# Altium PCB Infinit8I.PcbDoc (continued)
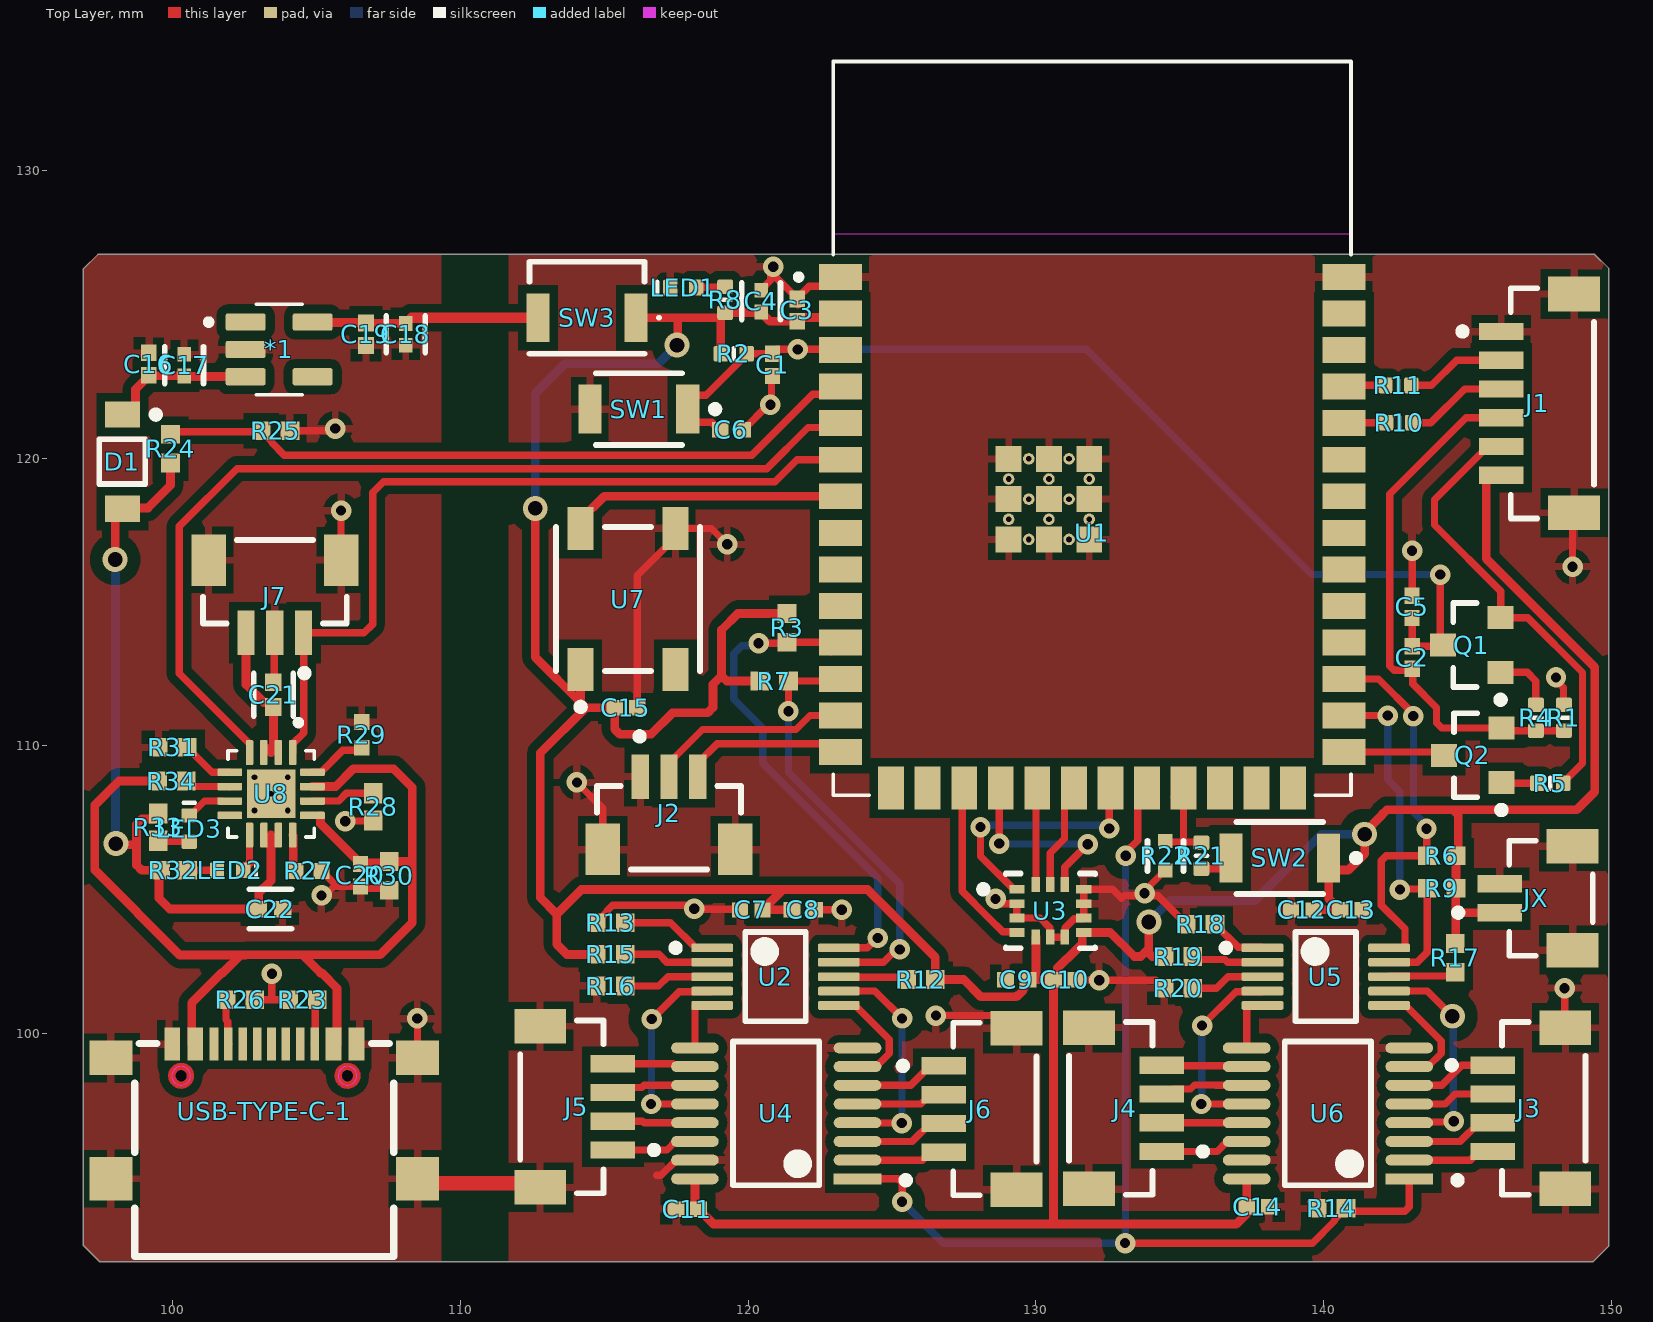
[diagram p0: Top Layer view]
## Footprints (in the part's own frame and the unit in brackets; to place one, negate y for a bottom-side part, rotate by r counter-clockwise, add the part's x,y. Pads: shape width x height; smd on the part's side, far side on the other; paste and mask are expansions set on the pad) (continued)
  rect 0.65x0.65 smd: 1(-0.5,0) 2(0.5,0)
  body extent -0.53,-0.28 0.53,0.28, height 0.4
RESC1005X40X25ML05T10 [mm] "Chip Resistor, 2-Leads, Body 1.00x0.50mm, IPC Low Density"
  rect 0.7x0.65 smd: 1(-0.475,0) 2(0.475,0)
  body extent -0.53,-0.27 0.53,0.28, height 0.4
RESC1005X40X25NL05T05 [mm] "Chip Resistor, 2-Leads, Body 1.00x0.50mm, IPC Medium Density"
  rect 0.55x0.55 smd: 1(-0.45,0) 2(0.45,0)
  body extent -0.53,-0.27 0.53,0.28, height 0.4
SOT95P280X145-5N [mm]
  rrect25% 1.39x0.6 smd: 1(-1.165,0.95) 2(-1.165,0) 3(-1.165,-0.95) 4(1.165,-0.95) 5(1.165,0.95)
  silkscreen extent -2.55,-1.57 0.8,1.57, body extent -1.35,-1.45 1.35,1.45, height 1.45
XCVR_ESP32-S3-WROOM-1-N8R2 [mm]
  rect 1.5x0.9 smd: 1(-8.75,5.26) 2(-8.75,3.99) 3(-8.75,2.72) 4(-8.75,1.45) 5(-8.75,0.18) 6(-8.75,-1.09) 7(-8.75,-2.36) 8(-8.75,-3.63) 9(-8.75,-4.9) 10(-8.75,-6.17) 11(-8.75,-7.44) 12(-8.75,-8.71) 13(-8.75,-9.98) 14(-8.75,-11.25) 27(8.75,-11.25) 28(8.75,-9.98) 29(8.75,-8.71) 30(8.75,-7.44) 31(8.75,-6.17) 32(8.75,-4.9) 33(8.75,-3.63) 34(8.75,-2.36) 35(8.75,-1.09) 36(8.75,0.18) 37(8.75,1.45) 38(8.75,2.72) 39(8.75,3.99) 40(8.75,5.26)
  rect 0.9x1.5 smd: 15(-6.985,-12.5) 16(-5.715,-12.5) 17(-4.445,-12.5) 18(-3.175,-12.5) 19(-1.905,-12.5) 20(-0.635,-12.5) 21(0.635,-12.5) 22(1.905,-12.5) 23(3.175,-12.5) 24(4.445,-12.5) 25(5.715,-12.5) 26(6.985,-12.5)
  rect 0.9x0.9 smd: 41_1(-1.5,-2.46) 41_2(-2.9,-2.46) 41_3(-0.1,-2.46) 41_4(-2.9,-3.86) 41_5(-1.5,-3.86) 41_6(-0.1,-3.86) 41_7(-2.9,-1.06) 41_8(-1.5,-1.06) 41_9(-0.1,-1.06)
  round 0.4 hole 0.2 mask+0: 41_10(-1.5,-1.76) 41_11(-2.9,-1.76) 41_12(-0.1,-1.76) 41_13(-2.9,-3.16) 41_14(-1.5,-3.16) 41_15(-0.1,-3.16) 41_16(-2.2,-1.06) 41_17(-0.8,-1.06) 41_18(-2.2,-2.46) 41_19(-0.8,-2.46) 41_20(-2.2,-3.86) 41_21(-0.8,-3.86)
  Keep-Out Layer region: 9,6.75 -9,6.75 -9,12.75 9,12.75
  Keep-Out Layer region: 9,6.75 -9,6.75 -9,12.75 9,12.75
  silkscreen extent -10.3,-12.75 9,12.75, body extent -9,-12.75 9,12.75, height 3.25

## Part data
*1: library part CMP-018-000000-2, "Fixed Positive LDO Regulator, 3.3V, 0.6V Dropout, BIPolar, PDSO5", Case/Package=LSSOP, Dropout Voltage1-Max=600mV, Input Voltage Absolute-Max=20V, Max Supply Voltage=12V, Min Input Voltage=2.5V, Operating Temperature, TJ-Max=125°C, Operating Temperature, TJ-Min=-40°C, Output Current1-Max=500mA, Output Voltage1-Max=3.366V, Output Voltage1-Min=3.234V, Output Voltage1-Nom=3.3V, Package Body Material=Plastic, Package Equivalence Code=TSOP5/6,.11,37, Package Shape=Rectangular, Package Style="SMALL OUTLINE, LOW PROFILE, SHRINK PITCHMeter", Peak Reflow Temperature (Cel)=240°C, Time @ Peak Reflow Temperature-Max (s)=30s, Voltage Tolerance-Max=2%, Adjustability=FIXED, Channels=1, Component Type=Standard, Design Item ID=Component_1, Height - Seated (Max)=1.45mm, JESD-30 Code=R-PDSO-G5, JESD-609 Code=e0, Length=2.9mm, Line Regulation-Max=0.02541%, Load Regulation-Max=0.0231%, Moisture Sensitivity Level=1, Number of Outputs=1, Pin Count=4, Pins=5, Qualification Status="Not Qualified", Reach SVHC Compliant=No, Regulator Type="FIXED POSITIVE SINGLE OUTPUT LDO REGULATOR", RoHS Compliant=No, Source=MIC5219-3.3YM5.SchLib, Surface Mount=Yes, Technology=BIPOLAR, Terminal Finish=Tin, Terminal Form="Gull Wing", Terminal Pitch=0.95mm, Terminal Position=DUAL, Width=1.6mm
C1 C5 C7 C12 C20: library part CMP-001-00008-6, "Chip Capacitor, 1 uF, +/- 10%, 6.3 V, 0402 (1005 Metric)", Capacitor Type=Ceramic, Case/Package=0402, Max Operating Temperature=85°C, Min Operating Temperature=-55°C, Tolerance=10%, Voltage Rating=6.3V, Mounting Technology=SM, Pins=2, RoHS Compliant=True
C2 C3 C6 C8 C9 C10 C11 C13 C14 C15 C16 C19: library part CMP-001-00001-6, "Chip Capacitor, 0.1 uF, +/- 5%, 16 V, 0402 (1005 Metric)", Capacitor Type=Ceramic, Case/Package=0402, Max Operating Temperature=125°C, Min Operating Temperature=-55°C, Tolerance=5%, Voltage Rating=16V, Mounting Technology=SM, Pins=2, RoHS Compliant=True
C4 C17 C18: library part CMP-13271-000286-1, "Cap Ceramic 22uF 6.3V X5R ±20% SMD 0402 +85°C Paper T/R", Capacitance=22uF, Case Code (Imperial)=0402, Case Code (Metric)=1005, Max Operating Temperature=85°C, Min Operating Temperature=-55°C, Tolerance=20%, Voltage Rating=6.3V, Case/Package=0402, Length=0.039inch, Mount="Surface Mount", Packaging="Tape and Reel", Thickness=0.022inch, Width=0.02inch
C21 C22: library part CMP-2008-04549-2, "Chip Multilayer Ceramic Capacitors for General Purpose, 0402, 4.7uF, X5R, 15%, 20%, 6.3V", Capacitance=4.7uF, Case Code (Imperial)=0402, Case Code (Metric)=1005, Dielectric=X5R, Max Operating Temperature=85°C, Min Operating Temperature=-55°C, Package Quantity=10000, Tolerance=20%, Voltage=6.3V, Case/Package=0402, Contact Plating=Tin, Depth=0.5mm, Height=0.5mm, Lead Free="Lead Free", Length=1mm, Mount="Surface Mount", Packaging="Tape and Reel", REACH SVHC="No SVHC", Termination=SMD/SMT, Thickness=0.022inch, Voltage Rating=6.3V, Voltage Rating (DC)=6.3V, Weight=0.000212oz, Width=0.02inch
D1: library part CMP-1055-00419-1, "Schottky Power Rectifier, 2-Pin SOD-123, Pb-Free, Tape and Reel", Manufacturer="On Semiconductor", ComponentLink1Description="Manufacturer URL", ComponentLink1URL=http://www.onsemi.com/, ComponentLink2Description=Datasheet, ComponentLink2URL=http://www.onsemi.cn/pub_link/Collateral/MBR130T1-D.PDF, ComponentLink3Description="Package Specification", ComponentLink3URL=http://www.onsemi.com/pub_link/Collateral/425-04.PDF, Configuration=Single, DatasheetVersion="Rev. 4", IFSM Max (A)=5.5, Mounting Technology="Surface Mount", PackageDescription="2-Pin SOD, Body 1.6 x 2.69 mm", PackageReference=SOD-123-2-425-04, PackageVersion="Rev. G, 10/2009", Packing="Tape and Reel", PartNumber=NRVB130T1G, RoHS=TRUE
J1: library part CMP-00030-00001-2, "Conn Shrouded Header HDR 6 POS 1mm Solder ST SMD Embossed T/R"
J2 J7: library part CMP-00030-00002-2, "Conn Shrouded Header (4 Sides) HDR 3 POS 1mm Solder ST Top Entry SMD T/R"
J3 J4 J5 J6: library part CMP-00030-00003-2, "1.0mm Pitch, Ultra-Compact, Low Profile Design, Interchangeable Shrouded Header"
JX: library part CMP-17439-000179-1, "CONN WIRE HDR 2POS 1MM STSMD", Color=Natural, Contact Resistance=20mR, Flammability Rating="UL94 V-0", Max Current Rating=1A, Max Operating Temperature=85°C, Max Voltage Rating (AC)=50V, Min Operating Temperature=-25°C, Package Quantity=1500, Connector Type=Header, Contact Finish - Mating=TIN, Contact Material="Copper Alloy", Contact Plating=Tin, Contact Shape=Square, Contact Type="Male Pin", Depth=3.6mm, Fastening Type=Pull, Housing Color=Natural, Housing Material=Polyamide, Insulation Color=Natural, Insulation Material=Nylon, Lead Free="Lead Free", Length=4mm, Mated Stacking Heights=4.9mm, Max Voltage Rating (DC)=50V, Mount="Surface Mount", Number of Positions=2, Number of Rows=1, Orientation=Straight, Packaging="Tape and Reel", Pitch=0.039inch, Series=SR, Termination=Solder, Voltage Rating=50V
LED1: library part CMP-007-00041-3, "Chip LED 0402, Green, 0.02 A, 3.1 to 3.7 V, -40 to 80 degC, 2-Pin SMD, RoHS, Tape and Reel", Case/Package=0402, Colour=Green, Mounting Technology=SMT, Pins=2, RoHS Compliant=Yes
LED2 LED3: library part CMP-007-00043-3, "Chip LED 0402, Yellow, 0.02 A, 3.1 to 3.7 V, -40 to 80 degC, 2-Pin SMD, RoHS, Tape and Reel", Case/Package=0402, Colour=Yellow, Mounting Technology=SMT, Pins=2, RoHS Compliant=Yes
Q1 Q2: library part CMP-1048-00545-1, "Switching Transistor, NPN Silicon, 3-Pin SOT-23, Pb-Free, Tape and Reel", Manufacturer="On Semiconductor", ComponentLink1Description="Manufacturer URL", ComponentLink1URL=http://www.onsemi.com/, ComponentLink2Description=Datasheet, ComponentLink2URL=http://www.onsemi.cn/pub_link/Collateral/MMBT4401LT1-D.PDF, ComponentLink3Description="Package Specification", ComponentLink3URL=http://www.onsemi.cn/pub_link/Collateral/318-08.PDF, DatasheetVersion="Rev. 10", fT Min (MHz)=250, IC Continuous (A)=0.6, Mounting Technology="Surface Mount", PackageDescription="3-Pin Small Outline Transistor, Body 2.92 x 1.3 mm, Pitch 0.95 mm", PackageReference=SOT-23-3-318-08, PackageVersion="Rev. AP, 11/2009", Packing="Tape and Reel", PartNumber=MMBT4401LT1G, Polarity=NPN, RoHS=TRUE
R1 R4 R5 R8 R21: library part CMP-009-00157-3, "Chip Resistor, 1 kOhms, +/-5 %, 63 mW, -55 to 155 degC, 0402", Case/Package=0402, Max Operating Temperature=155°C, Min Operating Temperature=-55°C, Power=63mW, Tolerance=5%, Pins=2
R2 R10 R11: library part CMP-009-00149-3, "Chip Resistor, 10 kOhms, +/-1 %, 63 mW, -55 to 125 degC, 0402", Case/Package=0402, Max Operating Temperature=155°C, Min Operating Temperature=-55°C, Power=63mW, Tolerance=1%, Pins=2
R3 R6 R7 R9 R13 R14 R15 R18 R19 R23 R26 R30 R31 R34: library part CMP-009-00030-5, "Chip Resistor, 4.7 KOhm, +/- 1%, 0.1 W, -55 to 155 degC, 0402 (1005 Metric)", Case/Package=0402, Max Operating Temperature=155°C, Min Operating Temperature=-55°C, Power=100mW, Tolerance=1%, Voltage Rating=50V, Mounting Technology=SM, Pins=2, RoHS Compliant=True
R12 R16 R17 R20: library part CMP-2002-08342-1, Manufacturer="Vishay Dale", Part Number=CRCW04021R00FKED
R22: library part CMP-2002-01165-2, Case Code (Imperial)=0402, Case Code (Metric)=1005, Max Operating Temperature=155°C, Max Power Dissipation=100mW, Min Operating Temperature=-55°C, Resistance=62kΩ, Temperature Coefficient=100ppm/°C, Tolerance=1%, Voltage Rating=50V, Case/Package=0402, Composition="Thick Film", Contact Plating=Tin, Depth=500µm, Features="Automotive AEC-Q200", Height=350µm, Lead Free="Lead Free", Length=1mm, Lifecycle Status=Production, Military Standard=Not, Mount="Surface Mount", NexarPartId=55404988, Number of Terminations=2, Packaging="Cut Tape", Power Rating=100mW, REACH SVHC="No SVHC", RoHS=Compliant, Schedule B="8533210045, 8533210045", Termination=SMD/SMT, Voltage Rating (DC)=50V, Width=508µm
R24 R25: library part CMP-009-00012-5, "Chip Resistor, 1 KOhm, +/- 1%, 63 mW, -55 to 155 degC, 0402 (1005 Metric)", Case/Package=0402, Max Operating Temperature=155°C, Min Operating Temperature=-55°C, Power=63mW, Tolerance=1%, Mounting Technology=SM, Pins=2, RoHS Compliant=True
R27 R29: library part CMP-2002-08284-1, Manufacturer="Vishay Dale", Part Number=CRCW04021K20FKED
R28: library part CMP-2002-07701-1, Manufacturer="Yageo / Phycomp", Part Number=RC0402FR-0747KL
R32 R33: library part CMP-2002-07464-1, Manufacturer="Yageo / Phycomp", Part Number=RC0402FR-071K5L
SW1 SW2: library part CMP-011-00000-2, "Tactile Switch, SPST-NO, 0.05 A, 12 V, -25 to 70 degC, 2-Pin SMD, RoHS, Tape and Reel", Case/Package=B3U-1000, Contact Current Rating=50mA, IP Rating=IP40, Manufacturer="Omron Electronic Components", Max Contact Resistance=100mohm, Max Operating Temperature=70°C, Max Voltage Rating (DC)=12V, Min Operating Temperature=-25°C, Operating Force=153gf, Package Description="2-Pin Surface Mount Device, Body 3 x 2.5 mm", Package Quantity=3500, Resistance=0.1Ohm, Contact Material=Silver, Current Rating=50mA, Datasheet URL=http://www.omron.com/ecb/products/pdf/en-b3u.pdf, Datasheet Version=Jan-15, Manufacturer URL=http://www.omron.com/, Max Current Rating=50mA, Mounting Technology=SM, Package Reference=B3U-1000, Packaging=TapeandReel, RoHS Compliant=True, Throw Configuration=SPST, Voltage Rating=12V, Voltage Rating (DC)=12V
SW3: library part CMP-011-00005-2, "Tactile Switch, SPST-NO, 0.05 A, 12 V, -25 to 70 degC, 2-Pin SMD, RoHS, Tape and Reel", Contact Current Rating=50mA, IP Rating=IP40, Manufacturer="Omron Electronic Components", Max Contact Resistance=100mohm, Max Operating Temperature=70°C, Max Voltage Rating (DC)=12V, Min Operating Temperature=-25°C, Operating Force=162gf, Package Description="2-Pin Surface Mount Device, Body 4 x 3.2 mm", Package Quantity=4000, Case/Package=B3U-3000P, Contact Material=Silver, Current Rating=50mA, Datasheet URL=https://www.omron.com/ecb/products/pdf/en-b3u.pdf, Datasheet Version=Jan-15, Manufacturer URL=http://www.omron.com/, Max Current Rating=50mA, Mounting Technology=SM, Package Reference=B3U-3000P, Packaging=TapeandReel, RoHS Compliant=True, Throw Configuration=SPST, Voltage Rating=12V, Voltage Rating (DC)=12V
U1: library part CMP-003-000000-1, "WiFi 802.11a/b/g/n, Bluetooth v5.0 Transceiver Module 2.4GHz Antenna Not Included -", Package="- Espressif Systems", Availability="In Stock", Check_prices=https://www.snapeda.com/parts/ESP32-S3-WROOM-1-N8R2/Espressif+Systems/view-part/?ref=eda, Component Type=Standard, Design Item ID=ESP32-S3-WROOM-1-N8R2, MF="Espressif Systems", MP=ESP32-S3-WROOM-1-N8R2, Pin Count=49, Price=None, Purchase-URL=https://pricing.snapeda.com/search?q=ESP32-S3-WROOM-1-N8R2&ref=eda, SnapEDA_Link=https://www.snapeda.com/parts/ESP32-S3-WROOM-1-N8R2/Espressif+Systems/view-part/?ref=snap, Source=ESP32-S3-WROOM-1-N8R2.SchLib
U2 U5: library part CMP-0003-00377-3, "IC ADC 12BIT SIGMA-DELTA 10VSSOP", Case/Package=VSSOP, Max Operating Temperature=125°C, Max Power Dissipation=900uW, Max Supply Voltage=5.5V, Min Operating Temperature=-40°C, Min Supply Voltage=2V, Nominal Supply Current=150uA, Operating Supply Voltage=3.3V, Package Quantity=250, Contact Plating=Gold, Conversion Rate=3300S/s, Height=1.02mm, Integral Nonlinearity (INL)=0.5LSB, Interface=I2C, Lead Free="Lead Free", Length=3mm, Max Supply Voltage (DC)=5.5V, Min Supply Voltage (DC)=2V, Number of A/D Converters=1, Number of Bits=12, Number of Channels=4, Number of Converters=1, Number of Elements=1, Number of Inputs=4, Number of Pins=10, Packaging="Tape and Reel", Polarity=Bipolar, Power Dissipation=900uW, Radiation Hardening=No, REACH SVHC="No SVHC", Resolution=12b, Sampling Rate=3.3KS/s, Supply Type=Single, Termination=SMD/SMT, Width=3mm
U3: library part ICM-42605-1, "Open-drain, CMOS, 14 Pin"
U4 U6: library part CMP-031-00008-1, "Multiplexer, LVC/LCX/Z Series, 4-Func, 2 Line Input, 1 Line Output, True Output, CMOS, PDSO16", Case/Package=TSSOP, Max Operating Temperature=85°C, Max Supply Voltage=3.6V, Min Operating Temperature=-40°C, Min Supply Voltage=1.65V, Pins=16, RoHS Compliant=Yes
U7: library part CMP-007-00035-2, "Intelligent Control LED Integrated Light Source, 3.5 to 5.3 V, -25 to 80 degC, 4-Pin SMD, RoHS, Bulk", Manufacturer="Adafruit Industries", Package Description="4-Pin Surface Mount Device, Body 5 x 5 mm, Pitch 3.3 mm", Case/Package=WS2812B, Datasheet URL=https://cdn-shop.adafruit.com/datasheets/WS2812B.pdf, Datasheet Version=May-13, Manufacturer URL=https://www.adafruit.com/, Mounting Technology=SM, Package Reference=WS2812B, RoHS Compliant=False
U8: library part CMP-009-000000-1, "Standalone 1-cell 1.5-A linear charger, Power Path, 4.2-V VBAT and 5.5-V VOUT 16-VQFN -40 to 85", Package=None, Availability=Unavailable, Component Type=Standard, Design Item ID=BQ24075RGTR, MP=BQ24075RGTR, Pin Count=17, Price=None, Source=BQ24075RGTR.SchLib
USB-TYPE-C-1: library part CMP-029-000000-1, Component Type=Standard, Design Item ID=USB-TYPE-C-020, Pin Count=20, Source=USBConnector.SchLib

## Via types
v1: diameter 0.711, hole 0.356, Top Layer to Bottom Layer, 44 vias
v2: diameter 0.864, hole 0.508, Top Layer to Bottom Layer, 7 vias

## Nets (pads, with @x,y where several pads share a name; then routed paths per layer and width w, separated by ;. In a path a pad name is that pad's centre, name@x,y a point inside that pad or via, vN(x,y) a via of type N, cw(c..) or ccw(c..) an arc to the next point about the centre after c; other vN are vias at no path point)
1Y1: U2.7 U4.4 | length 7.8
  Top Layer w0.254: U2.7 124.4,101.475 v1(125.35,100.525) ; U4.4 123.807,96.893 125.332,96.893 v1(125.339,96.885)
  Bottom Layer w0.254: v1(125.339,96.885) 125.345,96.89 125.345,100.52 v1(125.35,100.525)
1Y2: U5.7 U6.4 | length 7.8
  Top Layer w0.254: U5.7 143.6,101.475 v2(144.475,100.6) ; U6.4 143,96.924 144.499,96.924 v1(144.525,96.95)
  Bottom Layer w0.254: v2(144.475,100.6) 144.5,100.575 144.5,96.975 v1(144.525,96.95)
2Y1: U2.6 U4.7 | length 4
  Top Layer w0.254: U2.6 123.725,100.975 124.907,99.793 124.907,99.305 124.452,98.85 U4.7
2Y2: U5.6 U6.7 | length 4.1
  Top Layer w0.254: U5.6 142.85,100.975 144.083,99.742 144.083,99.305 143.627,98.85 U6.7
3Y1: U2.5 U4.9 | length 2.1
  Top Layer w0.254: U4.9 118.149,100.949 118.175,100.975 U2.5
3Y2: U5.5 U6.9 | length 2
  Top Layer w0.254: U6.9 137.325,100.952 137.348,100.975 U5.5
4Y1: U2.4 U4.12 | length 7
  Top Layer w0.254: v1(116.625,97.55) U4.12 ; v1(116.65,100.5) 117.602,101.452 118.727,101.452 U2.4
  Bottom Layer w0.254: v1(116.625,97.55) 116.637,97.562 116.637,100.487 v1(116.65,100.5)
4Y2: U5.4 U6.12 | length 6.9
  Top Layer w0.254: v1(135.75,97.55) U6.12 ; v1(135.775,100.275) 136.952,101.452 137.852,101.452 U5.4
  Bottom Layer w0.254: v1(135.75,97.55) 135.762,97.562 135.762,100.262 v1(135.775,100.275)
Boot: Q2.3 U1.27 | length 3.5
  Top Layer w0.254: U1.27 144.063,109.781 Q2.3
C1E: J6.1 U4.6 | length 3.3
  Top Layer w0.254: U4.6 125.65,98.2 126.325,98.875 J6.1
C1R: J6.2 U4.5 | length 3.1
  Top Layer w0.254: U4.5 126,97.55 126.325,97.875 J6.2
C2E: J6.3 U4.3 | length 3.3
  Top Layer w0.254: U4.3 125.7,96.25 126.325,96.875 J6.3
C2R: J6.4 U4.2 | length 3.1
  Top Layer w0.254: U4.2 126.05,95.6 126.325,95.875 J6.4
C3E: J5.2 U4.13 | length 2.9
  Top Layer w0.254: J5.2 116.327,96.95 116.377,96.9 U4.13
C3R: J5.1 U4.14 | length 3
  Top Layer w0.254: J5.1 117.178,95.95 117.478,96.25 U4.14
C4E: J5.4 U4.10 | length 2.9
  Top Layer w0.254: J5.4 117.378,98.95 117.478,98.85 U4.10
C4R: J5.3 U4.11 | length 3
  Top Layer w0.254: J5.3 115.473,98.123 116.3,98.123 116.377,98.2 U4.11
C5E: J3.1 U6.6 | length 3.2
  Top Layer w0.254: U6.6 144.1,98.2 144.8,98.9 J3.1
C5R: J3.2 U6.5 | length 3
  Top Layer w0.254: U6.5 144.227,97.55 144.577,97.9 J3.2
C6E: J3.3 U6.3 | length 3.2
  Top Layer w0.254: U6.3 144.75,96.25 145.4,96.9 J3.3
C6R: J3.4 U6.2 | length 3
  Top Layer w0.254: U6.2 145.1,95.6 145.4,95.9 J3.4
C7E: J4.2 U6.13 | length 2.7
  Top Layer w0.254: J4.2@134.6,96.9 U6.13
C7R: J4.1 U6.14 | length 2.9
  Top Layer w0.254: J4.1@134.6,95.9 136.303,95.9 136.653,96.25 U6.14
C8E: J4.4 U6.10 | length 2.7
  Top Layer w0.254: J4.4@134.6,98.9 134.626,98.874 137.3,98.874 U6.10
C8R: J4.3 U6.11 | length 2.9
  Top Layer w0.254: J4.3@134.6,97.9 134.773,98.073 135.375,98.073 135.512,98.21 136.238,98.21 136.248,98.2 U6.11
D+: J2.3 U1.14 | length 5.8
  Top Layer w0.254: J2.3 118.25,109.4 118.925,110.075 122.909,110.075 U1.14
D-: J2.2 U1.13 | length 7.1
  Top Layer w0.254: J2.2 117.25,109.4 118.415,110.565 121.663,110.565 122.149,111.051 U1.13
FT-DTR: C2.2 J1.4 Q2.2 R1.2 R4.1 | length 18.6
  Top Layer w0.254: J1.4 144.95,121.4 142.3,118.75 142.3,112.774 142.449,112.625 143.025,112.625 C2.2 143.097,112.653 143.097,112.153 143.925,111.325 143.925,110.8 144.108,110.617 Q2.2 146.269,110.525 R4.1 R1.2
FT-RTS: J1.5 Q1.2 R5.1 | length 15.9
  Top Layer w0.254: J1.5 145.7,120.4 143.85,118.55 143.85,117.675 146.15,115.375 Q1.2 147.089,114.45 148.993,112.546 148.993,109.393 148.325,108.725 R5.1
FT-RX: J1.2 R11.2 | length 3.5
  Top Layer w0.254: R11.2 143.75,122.525 144.625,123.4 J1.2
FT-TX: J1.3 R10.2 | length 3.6
  Top Layer w0.254: R10.2 143.725,121.225 144.9,122.4 J1.3
GND: *1.2 C1.2 C3.2 C4.2 C5.2 C6.2 C7.2 C8.2 C9.2 C10.2 C11.2 C12.2 C13.2 C14.2 C15.2 C16.2 C17.2 C18.2 C19.2 C20.2 C21.2 C22.2 J1.1 J1.7 J1.8 J2.1 J2.4 J2.5 J3.5 J3.6 J4.5 J4.6 J5.5 J5.6 J6.5 J6.6 J7.2 J7.4 J7.5 JX.2 JX.3 JX.4 LED1.1 R1.1 R13.1 R14.2 R16.2 R18.1 R20.2 R22.2 R23.2 R25.2 R26.2 R27.1 R28.2 R29.1 R30.2 R31.2 SW1.2 U1.1 U1.40 U1.41_1 U1.41_2 U1.41_3 U1.41_4 U1.41_5 U1.41_6 U1.41_7 U1.41_8 U1.41_9 U3.2 U3.3 U3.6 U3.7 U3.9 U3.10 U3.11 U4.8 U4.15 U6.8 U6.15 U7.3 USB-TYPE-C-1.17 USB-TYPE-C-1.18 USB-TYPE-C-1.19 USB-TYPE-C-1.20 USB-TYPE-C-1.A1 USB-TYPE-C-1.A12 USB-TYPE-C-1.B1 USB-TYPE-C-1.B12 | length 66.9
  Top Layer w0.254: R26.2 103.437,101.175 ; v1(103.45,102.075) 103.437,102.063 103.437,101.175 ; C21.2 103.525,112.229 103.525,113.9 J7.2 ; R23.2 103.437,101.175 ; R25.2 105.575,120.95 v1(105.65,121.025) ; v1(105.175,104.8) 105.299,104.8 105.609,105.11 105.715,105.11 ; R27.1 105.715,105.11 ; J7.4 v1(105.85,118.175) ; v1(106,107.375) 106.012,107.387 106.962,107.387 R28.2 ; R30.2 107.457,105.042 106.592,105.042 C20.2 105.715,105.11 ; v1(108.5,100.525) 108.51,100.515 USB-TYPE-C-1.18 ; v1(114.05,108.725) 114.95,107.825 J2.4 ; R13.1 115.105,104.23 115.105,104.275 115.284,104.454 117.886,104.454 118.001,104.34 v1(118.125,104.34) ; C15.2 116.14,115.915 117.475,117.25 U7.3 118.725,117.55 v1(119.275,117) ; 116.825,95.075 116.973,95.075 117.498,95.6 U4.15 ; v1@118.125,104.35 118.155,104.32 119.7,104.32 C7.2 ; C6.2@119.642,120.832 119.785,120.975 C6.2 119.825,120.975 120.7,121.85 v1(120.775,121.85) 120.813,121.888 120.813,122.808 C1.2 ; C4.2 120.45,125.85 120.788,126.188 120.788,126.563 v1(120.875,126.65) 120.962,126.563 120.962,126.288 C3.2@121.7,125.55 ; C3.2 C3.2@121.7,125.55 ; C3.2@121.725,125.33 C3.2@121.725,125.53 ; C8.2 v1(123.25,104.3) ; U1.1 122.88,125.968 122.118,125.968 C3.2@121.7,125.55 ; v1(126.525,100.625) 128.875,100.625 J6.5 ; v1(128.6,104.678) 128.765,104.512 U3.2 U3.3 130.145,104.012 130.477,103.681 130.477,103.373 U3.6 U3.7 131.023,103.373 131.023,103.681 131.332,103.989 131.64,103.989 U3.9 U3.10 U3.11 132.662,105.013 132.975,104.7 133.063,104.788 133.688,104.788 v1(133.775,104.875) ; C10.2 131.402,101.863 132.187,101.863 v1(132.2,101.85) 134.175,101.85 R20.2 ; R22.2 134.488,105.662 133.775,104.95 v1(133.775,104.875) ; R18.1 134.237,104.788 133.862,104.788 v1(133.775,104.875) ; R14.2@139.55,94.15 R14.2@139.75,93.95 ; C5.2 v1(143.075,116.775) ; v1(148.075,112.375) 148.075,112.278 148.337,112.015 148.337,111.438 R1.1 ; v1(148.375,101.575) 148.375,100.225 J3.5 ; v1(148.65,116.225) 148.65,118.05 J1.8
  Top Layer w0.356: C14.2@138.052,93.922 C14.2
  Top Layer w0.508: USB-TYPE-C-1.20 108.66,94.8 112.625,94.8 J5.5
MUX: R14.1 U1.22 U4.1 U6.1 | length 38.2
  Top Layer w0.254: U4.1 125.201,94.95 125.35,94.801 v1(125.35,94.15) ; v1(133.1,92.715) 139.61,92.715 140.379,93.484 140.379,93.529 R14.1 ; v1(133.125,106.175) 133.125,106.299 133.535,106.709 133.535,108.208 U1.22 ; R14.1@140.775,93.826 142.827,93.826 142.975,93.975 U6.1
  Bottom Layer w0.254: v1(125.35,94.15) 126.785,92.715 v1(133.1,92.715) 133.112,92.727 133.112,106.162 v1(133.125,106.175)
Net*1_3: *1.3 C16.1 C17.1 D1.1 | length 5.2
  Top Layer w0.305: D1.1 98.405,121.51 98.708,121.813 98.708,122.388 99.175,122.855 C16.1 ; C16.1@99.188,122.863 100.388,122.863 C17.1 100.413,122.837 102.523,122.837 *1.3
Net*1_5: *1.5 C18.1 C19.1 SW3.2 | length 7.9
  Top Layer w0.254: C19.1@106.702,124.709 C19.1 C19.1@106.725,124.686 ; C18.1@108.093,124.686 C18.1 108.1,124.7 108.209,124.809 108.231,124.809 C18.1@108.296,124.875
  Top Layer w0.305: *1.5 104.881,124.709 C19.1@106.702,124.709 ; C19.1@106.725,124.686 C18.1@108.093,124.686
  Top Layer w0.356: C18.1@108.296,124.875 SW3.2
NetLED1_2: LED1.2 R8.2 | length 1
  Top Layer w0.254: LED1.2 118.212,125.938 119.188,125.938 R8.2
NetLED2_1: LED2.1 U8.9 | length 1.3
  Top Layer w0.254: LED2.1@102.67,105.92 U8.9
  Top Layer w0.305: LED2.1 102.45,105.7 LED2.1@102.67,105.92
NetLED2_2: LED2.2 R32.1 | length 1
  Top Layer w0.254: R32.1 LED2.2
NetLED3_1: LED3.1 U8.7 | length 1.4
  Top Layer w0.254: LED3.1 100.6,107.575 101.105,108.08 101.726,108.08 U8.7@101.729,108.077
NetLED3_2: LED3.2 R33.1 | length 1.1
  Top Layer w0.254: R33.1 99.517,106.682 100.557,106.682 LED3.2
NetQ1_1: Q1.1 R4.2 | length 2.2
  Top Layer w0.254: Q1.1 147.075,112.55 147.375,112.25 R4.2
NetQ2_1: Q2.1 R5.2 | length 1.3
  Top Layer w0.254: Q2.1 146.194,108.7 R5.2
NetR12_2: R12.2 U2.8 | length 2.4
  Top Layer w0.254: U2.8 123.173,101.952 125.423,101.952 R12.2
NetR13_2: R13.2 U2.1 | length 3.4
  Top Layer w0.254: R13.2 117.3,103.85 118.175,102.975 U2.1
NetR15_1: R15.1 U2.2 | length 3.1
  Top Layer w0.254: R15.1 116.9,102.75 117.175,102.475 U2.2
NetR16_1: R16.1 U2.3 | length 3.2
  Top Layer w0.254: R16.1 116.886,101.65 117.212,101.975 U2.3
NetR17_2: R17.2 U5.8 | length 2.4
  Top Layer w0.254: U5.8@142.298,101.952 U5.8 142.298,101.998 144.448,101.998 R17.2
NetR18_2: R18.2 U5.1 | length 2
  Top Layer w0.254: R18.2 137.027,102.998 137.852,102.998 U5.1
NetR19_1: R19.1 U5.2 | length 2.5
  Top Layer w0.254: R19.1 135.556,102.569 136.574,102.569 136.668,102.475 U5.2
NetR20_1: R20.1 U5.3 | length 2.6
  Top Layer w0.254: R20.1 136.274,101.575 136.674,101.975 U5.3
NetR21_1: R21.1 SW2.2 | length 1.2
  Top Layer w0.254: R21.1 136.502,105.725 136.775,105.998 SW2.2
NetR21_2: R21.2 R22.1 U1.23 | length 3.6
  Top Layer w0.254: R22.1 134.531,106.656 135.125,106.656 ; U1.23@134.805,108.208 U1.23 135.128,106.659 135.125,106.656 ; R21.2 135.719,106.656 135.125,106.656
NetR23_1: R23.1 USB-TYPE-C-1.B5 | length 1.6
  Top Layer w0.254: USB-TYPE-C-1.B5@104.912,99.654 USB-TYPE-C-1.B5 104.958,99.654 104.958,101.108 R23.1
NetR24_2: R24.2 R25.1 U1.4 | length 24.7
  Top Layer w0.254: R24.2@99.775,120.825 R24.2@99.812,120.862 ; R24.2 100.012,120.912 103.038,120.912 R25.1 103.455,120.57 103.455,120.525 103.88,120.1 120.125,120.1 122.239,122.214 122.636,122.214 U1.4@122.903,122.481
  Top Layer w0.305: U1.4@122.903,122.481 U1.4
NetR26_1: R26.1 USB-TYPE-C-1.A5 | length 1.6
  Top Layer w0.254: R26.1 101.85,100.469 101.912,100.407 101.912,99.654 USB-TYPE-C-1.A5 USB-TYPE-C-1.A5@101.951,99.647
NetR27_2: R27.2 U8.12 | length 1.3
  Top Layer w0.305: U8.12 104.192,106.873 104.192,105.733 R27.2
NetR28_1: R28.1 U8.14 | length 2.2
  Top Layer w0.254: U8.14 105.767,108.08 106.037,108.35 R28.1
NetR29_2: R29.2 U8.16 | length 2.1
  Top Layer w0.254: U8.16 105.155,109.08 105.914,109.839 106.479,109.839 R29.2
NetR31_1: R31.1 U8.5 | length 1.8
  Top Layer w0.254: R31.1 101.367,109.083 101.982,109.083 U8.5
NetR34_1: R34.1 U8.6 | length 1.6
  Top Layer w0.254: R34.1 100.667,108.583 101.982,108.583 U8.6
NetU1_5: U1.5 U8.4 | length 33.1
  Top Layer w0.254: U8.4 102.67,110.065 100.225,112.51 100.225,117.625 102.232,119.632 120.648,119.632 122.078,121.062 U1.5@123.054,121.062
NetU1_7: U1.7 U7.4 | length 9.7
  Top Layer w0.305: U7.4 114.175,117.85 115,118.675 123.199,118.675 U1.7
NetU1_17: U1.17 U3.4 | length 6.1
  Top Layer w0.254: U1.17 127.44,108.463 127.44,104.94 128.337,104.043 128.844,103.535 U3.4@129.315,103.535
NetU1_18: U1.18 U3.12 | length 6.8
  Top Layer w0.254: v1(128.725,106.6) 128.725,108.478 U1.18 ; U3.12 131,105.775 v1(131.8,106.575)
  Bottom Layer w0.254: v1(128.725,106.6) 128.738,106.587 131.788,106.587 v1(131.8,106.575)
NetU1_19: U1.19 U3.14 | length 3.4
  Top Layer w0.254: U3.14 130,108.483 U1.19
NetU1_20: U1.20 U3.13 | length 3.7
  Top Layer w0.254: U3.13 130.5,106.274 130.995,106.769 130.995,108.208 U1.20
NetU1_21: U1.21 U3.1 | length 8.7
  Top Layer w0.254: v1(128.075,107.175) 128.075,106.163 129.225,105.013 U3.1 ; v1(132.55,107.125) 132.55,108.493 U1.21
  Bottom Layer w0.254: v1(128.075,107.175) 128.135,107.235 132.316,107.235 132.426,107.125 v1(132.55,107.125)
RESET: C1.1 C2.1 C5.1 C6.1 Q1.3 R2.1 SW1.1 U1.3 | length 38
  Top Layer w0.254: C6.1 119.005,120.975 118.732,121.248 118.173,121.248 117.9,121.521 117.9,121.909 118.173,122.182 118.532,122.182 119.95,123.6 R2.1 C1.1 120.85,123.642 120.983,123.775 v1(121.725,123.775) 123.179,123.775 U1.3 ; C5.1@143.08,114.43 C5.1 C2.1 144.105,113.455 Q1.3 144.05,113.6 v1(144.05,115.95)
  Bottom Layer w0.254: v1(121.725,123.775) 131.75,123.775 139.575,115.95 v1(144.05,115.95)
SCL1: R3.1 U1.11 U2.10 | length 17.8
  Top Layer w0.254: v1(120.362,113.562) 121.313,113.562 R3.1 123.194,113.6 U1.11 U1.11@122.88,113.268 ; U2.10 124.145,102.975 124.489,103.32 v1(124.505,103.32)
  Bottom Layer w0.254: v1(120.362,113.562) 120.275,113.475 119.774,113.475 119.5,113.201 119.5,111.624 120.505,110.619 120.505,109.395 124.505,105.395 v1(124.505,103.32)
SCL2: R6.1 U1.29 U5.10 | length 13.6
  Top Layer w0.254: U1.29 141.904,112.321 143.114,111.111 v1(143.114,111.034) ; U5.10 142.802,102.975 142.825,102.998 142.825,103.637 142,104.462 142,106.001 142.174,106.175 R6.1 143.588,106.187 143.588,107.102 v1(143.575,107.115)
  Bottom Layer w0.254: v1(143.114,111.034) 143.125,111.023 143.125,107.688 143.575,107.238 v1(143.575,107.115)
SDA1: R7.1 U1.12 U2.9 | length 15.1
  Top Layer w0.254: v1(121.4,111.2) R7.1 123.132,112.25 U1.12 ; U2.9 124.701,102.475 125.147,102.921 v1(125.271,102.921)
  Bottom Layer w0.254: v1(121.4,111.2) 121.4,109.075 125.271,105.204 v1(125.271,102.921)
SDA2: R9.1 U1.28 U5.9 | length 12.4
  Top Layer w0.254: U1.28 140.704,111.05 v1(142.225,111.05) ; U5.9 143.25,102.475 143.6,102.825 R9.1 143.575,105.025 142.675,105.025 v1(142.65,105)
  Bottom Layer w0.254: v1(142.225,111.05) 142.225,108.825 142.65,108.4 v1(142.65,105)
T_Bat: J7.1 U1.6 U8.1 | length 28.1
  Top Layer w0.254: U8.1 104.17,110.065 104.55,110.445 J7.1 106.65,113.925 106.95,114.225 106.95,118.8 107.325,119.175 120.934,119.175 121.7,119.941 U1.6
UART-RX: R10.1 U1.36 | length 1.5
  Top Layer w0.254: U1.36 140.717,121.225 R10.1
UART-TX: R11.1 U1.37 | length 1.5
  Top Layer w0.254: U1.37 140.747,122.525 R11.1
V_Bat: C21.1 J7.3 U8.2 U8.3 | length 4.7
  Top Layer w0.305: J7.3 102.55,112.129 103.177,111.502 C21.1@103.366,111.502 ; U8.3@103.275,109.91 103.42,109.765 103.5,109.845 C21.1
V_Control: C22.1 D1.2 R24.1 R32.2 R33.2 U8.10 U8.11 | length 25.8
  Top Layer w0.305: v2(98,116.475) 98,117.99 98.274,118.264 99.139,118.264 99.925,119.05 R24.1 ; v2(98.025,106.6) 98.061,106.564 98.742,106.564 ; R33.2 99.5,107.625 99.327,107.452 98.921,107.452 98.742,107.274 98.742,106.564 ; 103.42,106.895 103.42,105.32 102.99,104.89 102.99,104.347 C22.1 99.9,104.325 99.525,104.7 99.525,105.675 98.921,105.675 98.742,105.854 98.742,106.564
  Bottom Layer w0.305: v2(98,116.475) 98.013,116.462 98.013,106.612 v2(98.025,106.6)
V_USB: C20.1 R30.1 R34.2 U8.13 U8.15 USB-TYPE-C-1.A4 USB-TYPE-C-1.A9 USB-TYPE-C-1.B4 USB-TYPE-C-1.B9 | length 37.7
  Top Layer w0.305: R34.2 98.125,108.775 97.288,107.938 97.288,105.687 100.25,102.725 102.355,102.725 ; USB-TYPE-C-1.A4 100.66,101.066 101.7,102.106 101.735,102.106 102.355,102.725 ; U8.15 105.656,108.58 106.276,109.2 107.675,109.2 108.325,108.55 108.325,106 ; U8.13@105.133,107.558 105.133,107.302 106.417,106.018 106.417,105.998 C20.1 106.567,105.932 107.483,105.932 R30.1 108.3,105.975 108.325,106 ; USB-TYPE-C-1.A9 105.71,101.571 105.175,102.106 105.14,102.106 104.51,102.735 ; 102.355,102.725 102.54,102.725 102.55,102.735 104.51,102.735 ; 104.51,102.735 107.21,102.735 108.325,103.85 108.325,106
VCC: C3.1 C4.1 C7.1 C8.1 C9.1 C10.1 C11.1 C12.1 C13.1 C14.1 C15.1 J1.6 JX.1 R2.2 R3.2 R6.2 R7.2 R8.1 R9.2 R12.1 R15.2 R17.1 R19.2 SW2.1 SW3.1 U1.2 U3.5 U3.8 U4.16 U6.16 U7.1 | length 152.3
  Top Layer w0.305: v2(112.6,118.25) 112.6,113.079 114.175,111.504 ; U7.1 114.175,111.504 ; R15.2 113.7,102.75 113.35,103.1 113.35,104.15 ; SW3.1 117.55,124.875 ; v2(117.525,123.925) 117.55,123.95 117.55,124.875 ; U4.16 118.149,94.026 C11.1 118.8,93.375 130.55,93.375 ; R8.1@119,124.875 117.55,124.875 ; R2.2 119.05,124.9 119.077,124.927 119.077,124.952 119.175,125.05 R8.1 119.211,125.061 C4.1@120.439,125.061 ; R7.2 119.254,112.25 119.075,112.429 ; C4.1@120.463,125.058 C4.1 120.45,125.05 120.75,124.75 C3.1 ; C7.1 C8.1 ; C7.1@120.628,104.428 121.2,105 ; R3.2 119.65,114.6 119.075,114.025 119.075,112.429 ; C3.1@121.818,124.885 123.067,124.885 U1.2 U1.2@123.191,125.033 ; C9.1@129.592,101.807 129.592,101.576 129.54,101.524 129.54,101.479 129.361,101.3 129.316,101.3 129.291,101.275 128.086,101.275 127.486,101.875 R12.1 126.5,102.65 124.15,105 121.2,105 ; C9.1 C10.1 130.61,93.435 130.55,93.375 ; C9.1@130,102.095 U3.5 ; C10.1@130.748,101.993 130.748,102.274 131.091,102.617 131.111,102.617 131.608,103.114 131.608,103.51 131.61,103.512 U3.8 132.588,103.512 133.425,102.675 133.644,102.675 133.925,102.956 ; v2(133.925,103.875) 133.925,102.956 ; R19.2 134.047,102.675 133.925,102.797 133.925,102.956 ; U6.16 137.325,93.739 136.961,93.375 130.55,93.375 ; C12.1 C13.1@140.555,104.3 ; SW2.1@140.175,105.926 140.423,105.679 140.854,105.679 141.425,106.25 v2(141.425,106.925) 141.425,106.982 142.025,107.582 142.025,107.596 142.204,107.775 144.496,107.775 ; SW2.1@140.175,106.106 140.175,104.68 C13.1@140.555,104.3 ; C13.1 C13.1@140.555,104.3 ; R17.1 144.587,103.137 144.587,104.087 ; JX.1 144.7,104.2 144.587,104.087 ; J1.6 145.798,119.4 145.65,119.252 145.65,116.5 149.425,112.725 149.425,108.4 148.8,107.775 144.496,107.775 ; 113.35,104.15 112.775,104.725 112.775,109.746 114.354,111.325 ; 113.35,104.15 114.2,105 121.2,105 ; 114.175,111.504 114.354,111.325 ; 114.354,111.325 C15.1 115.36,110.579 115.539,110.4 116.623,110.4 117.373,111.15 118.596,111.15 118.775,111.329 118.775,112.129 119.075,112.429 ; 144.496,107.775 144.675,107.596 144.675,106.25 R6.2 R9.2 144.587,105.037 144.587,104.087
  Bottom Layer w0.305: v2(112.6,118.25) 112.6,122.25 113.625,123.275 116.875,123.275 v2(117.525,123.925) ; v2(133.925,103.875) 134.675,104.625 137.625,104.625 139.925,106.925 v2(141.425,106.925)
pads on no net: *1.1 *1.4 U1.8 U1.9 U1.10 U1.15 U1.16 U1.24 U1.25 U1.26 U1.30 U1.31 U1.32 U1.33 U1.34 U1.35 U1.38 U1.39 U1.41_10 U1.41_11 U1.41_12 U1.41_13 U1.41_14 U1.41_15 U1.41_16 U1.41_17 U1.41_18 U1.41_19 U1.41_20 U1.41_21 U7.2 U8.8 U8.17 U8.18 U8.19 U8.20 U8.21 U8.22 USB-TYPE-C-1.A6 USB-TYPE-C-1.A7 USB-TYPE-C-1.A8 USB-TYPE-C-1.B6 USB-TYPE-C-1.B7 USB-TYPE-C-1.B8

## Polygon pours and split planes (outlines as drawn)
GND on Top Layer "NONET_L-01_P-001" (solid, remove dead copper, pour order 0): 111.675,127.075 111.675,92.075 149.375,92.075 149.9,92.6 149.9,126.6 149.425,127.075
GND on Top Layer "NONET_L-01_P-001" (solid, remove dead copper, pour order 1): 96.9,126.575 97.4,127.075 109.325,127.075 109.325,92.075 97.45,92.075 96.9,92.625
GND on Bottom Layer "NONET_L-01_P-001" (solid, remove dead copper, pour order 2): 111.675,127.075 111.675,92.075 149.375,92.075 149.9,92.6 149.9,126.6 149.425,127.075
GND on Bottom Layer "NONET_L-01_P-001" (solid, remove dead copper, pour order 3): 96.9,126.575 97.4,127.075 109.325,127.075 109.325,92.075 97.45,92.075 96.9,92.625

## Silkscreen, mask and mechanical layers (free items; w line width, h text height)
Bottom Overlay:
  drawing of 165 lines, arcs and shapes, not listed
Mechanical 1:
  lines w0.254: 109.325,92.075 109.325,127.075 ; 111.675,92.075 111.675,127.1 ; 96.9,92.625 97.45,92.075 149.375,92.075 149.9,92.6 149.9,126.6 149.425,127.075 97.4,127.075 96.9,126.575 96.9,92.625

## Text inside footprints (layer, text, board x,y; h text height)
U1: Mechanical 13 "ANTENNA" at 127.453,130.531 h1.27